# Altium PCB Dashcam.PcbDoc (part 1 of 6) (continued)
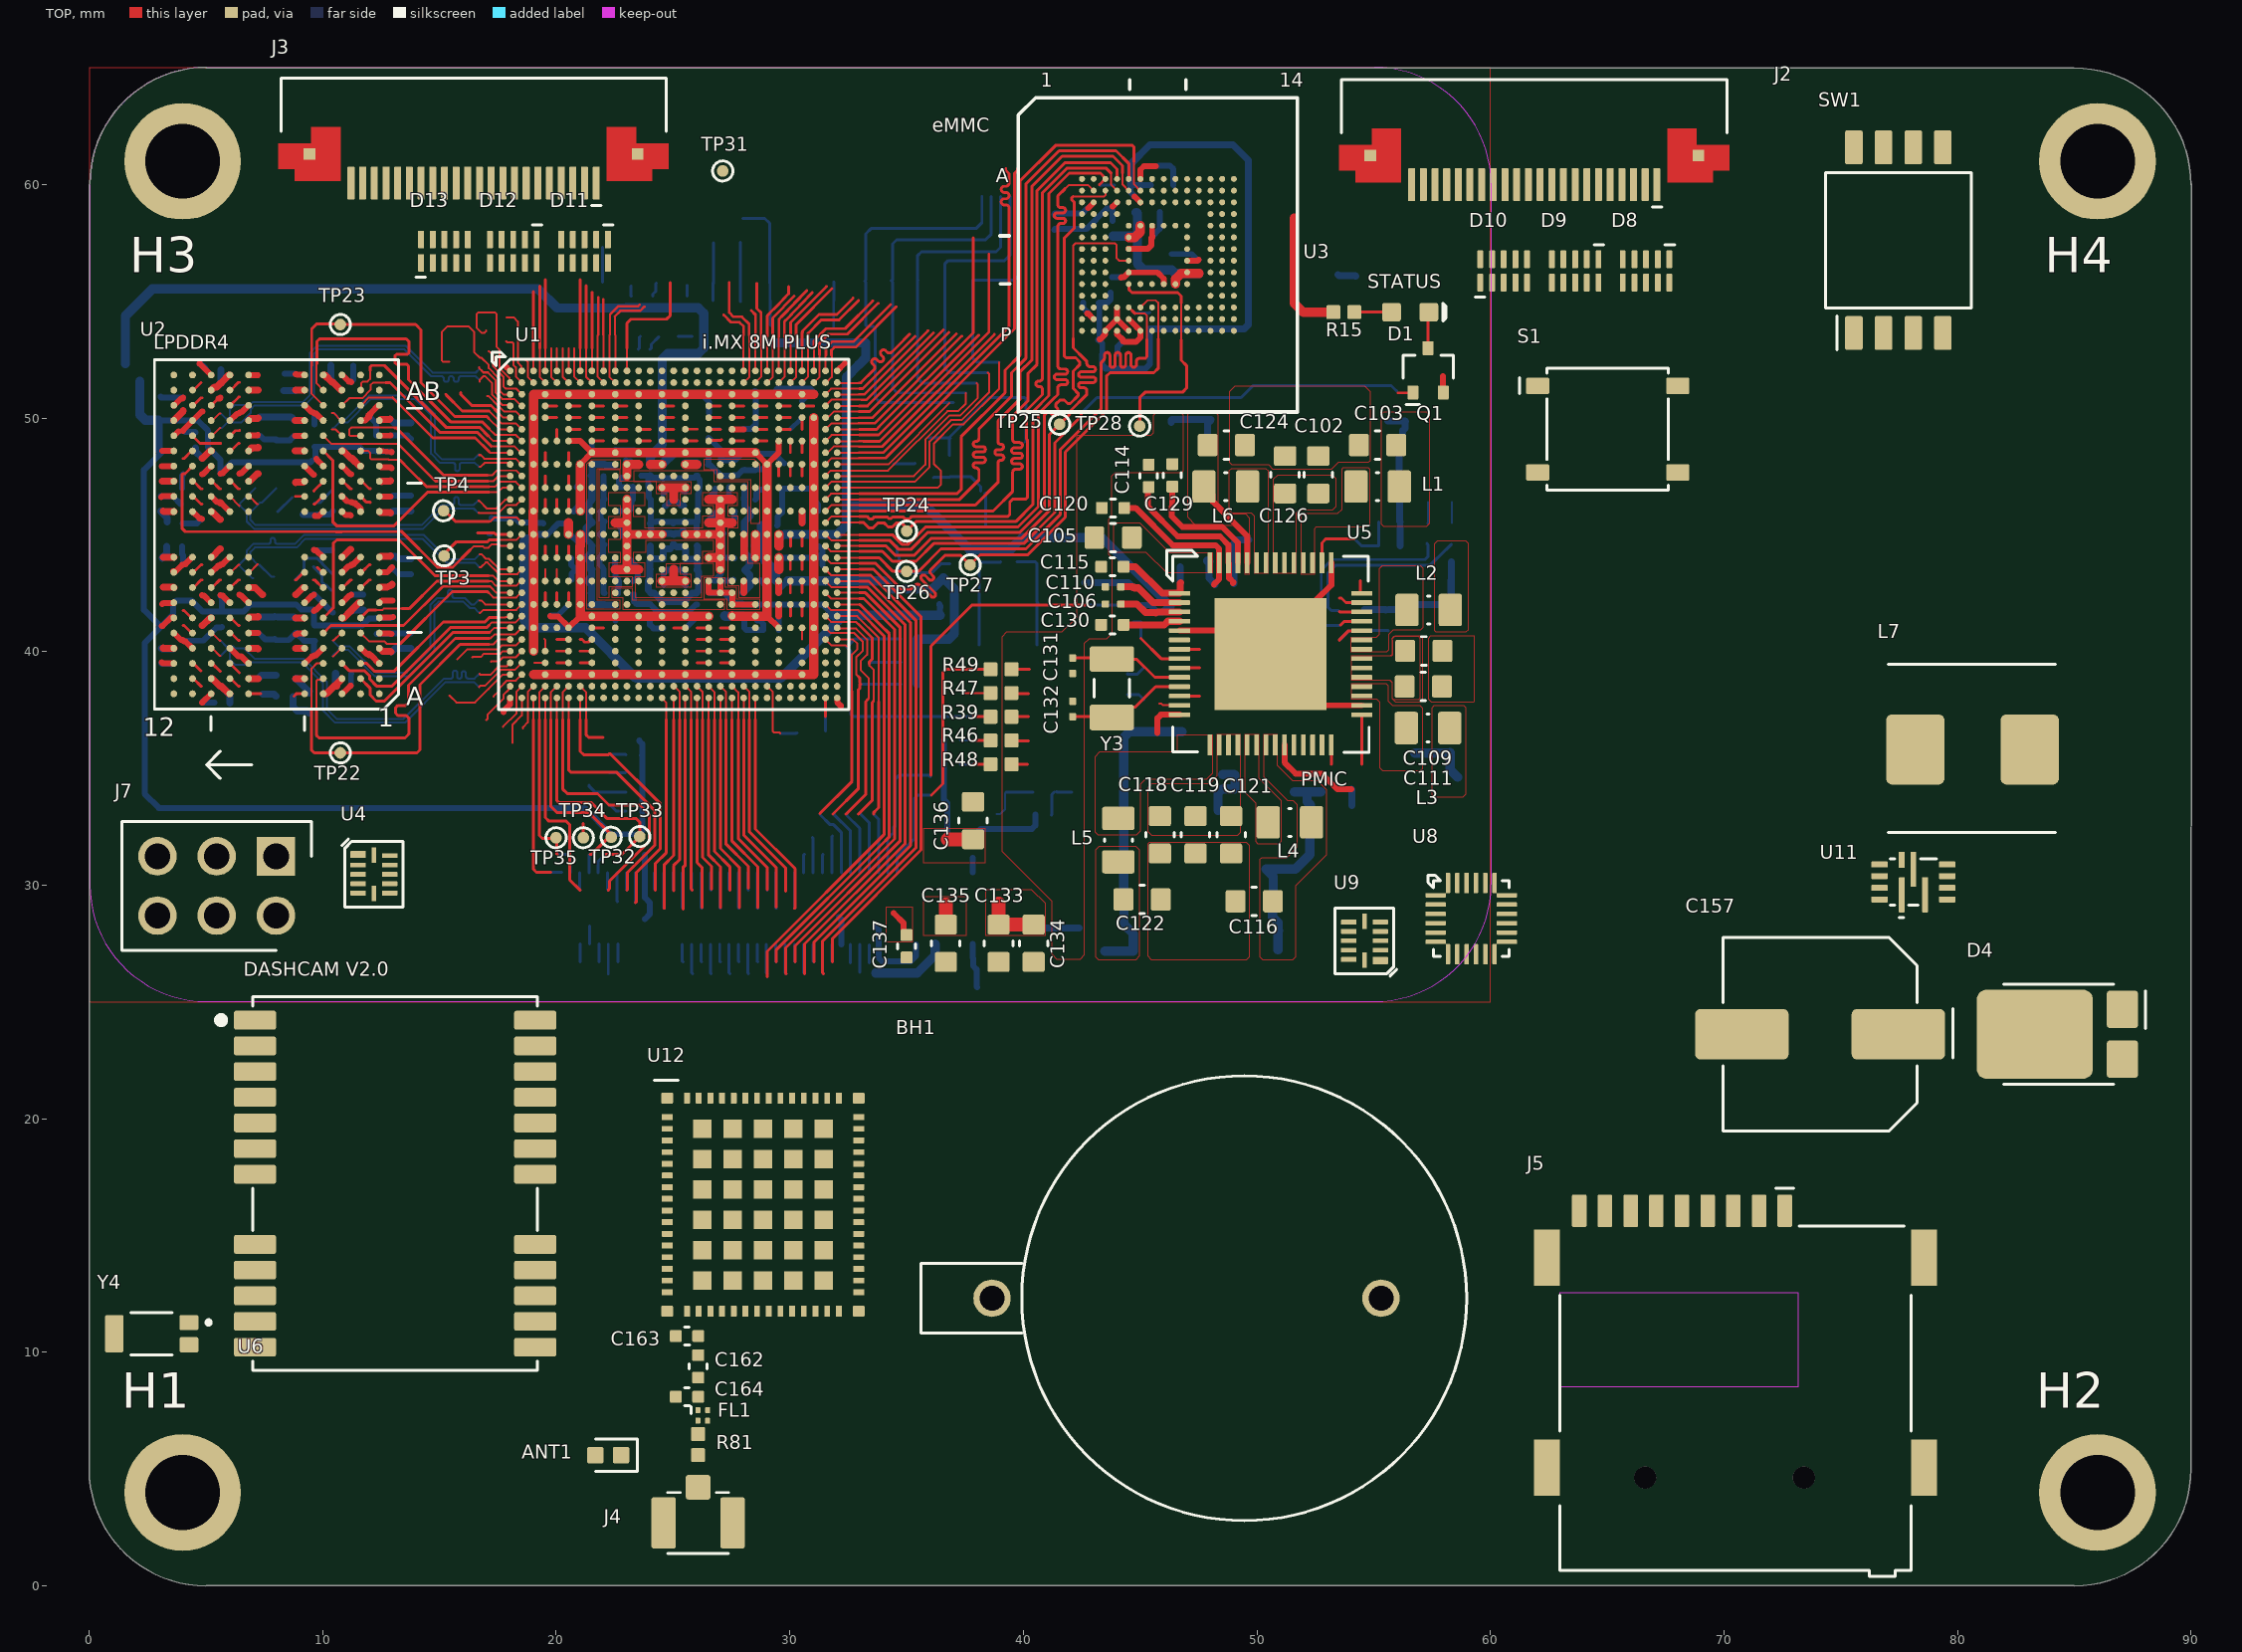
[diagram p0: TOP view]
## Components (designator, comment, footprint, x,y, rotation, side; value= is the part's Value field where it differs from the comment)
ANT1 "A9001978" ANTENNA_CHIP_ANTC1006X50N 22.225,5.6 r180 top
BH1 "BH600" MECH_BATTERY_HOLDER_BH600 46.99,12.319 r270 top
C1 "CL05A106MQ5NUNC" CAP_0402_CAPC1005X05N 25.056,48.041 r0 bottom
C2 "02016D105MAT2A" CAP_0201_CAPC0603X03N 22.973,42.478 r0 bottom
C3 "02016D105MAT2A" CAP_0201_CAPC0603X03N 24.573,41.335 r90 bottom
C4 "02016D105MAT2A" CAP_0201_CAPC0603X03N 25.538,41.335 r90 bottom
C5 "02016D105MAT2A" CAP_0201_CAPC0603X03N 31.406,44.714 r90 bottom
C6 "02016D105MAT2A" CAP_0201_CAPC0603X03N 30.872,45.984 r180 bottom
C7 "02016D105MAT2A" CAP_0201_CAPC0603X03N 29.424,48.066 r180 bottom
C8 "02016D105MAT2A" CAP_0201_CAPC0603X03N 22.987,47.86 r90 bottom
C9 "02016D105MAT2A" CAP_0201_CAPC0603X03N 29.12,45.399 r180 bottom
C10 "02016D105MAT2A" CAP_0201_CAPC0603X03N 29.272,44.028 r180 bottom
C11 "CL05A106MQ5NUNC" CAP_0402_CAPC1005X05N 23.532,44.028 r0 bottom
C12 "02016D105MAT2A" CAP_0201_CAPC0603X03N 24.573,44.739 r270 bottom
C13 "02016D105MAT2A" CAP_0201_CAPC0603X03N 25.451,44.812 r270 bottom
C14 "02016D105MAT2A" CAP_0201_CAPC0603X03N 24.573,43.647 r90 bottom
C15 "02016D105MAT2A" CAP_0201_CAPC0603X03N 25.476,43.618 r90 bottom
C16 "02016D105MAT2A" CAP_0201_CAPC0603X03N 29.069,43.063 r0 bottom
C17 "LMK063BJ224MP-F" CAP_0201_CAPC0603X03N 31.406,43.367 r270 bottom
C18 "LMK063BJ224MP-F" CAP_0201_CAPC0603X03N 23.786,48.498 r0 bottom
C19 "CL05A106MQ5NUNC" CAP_0402_CAPC1005X05N 26.543,44.025 r180 bottom
C20 "02016D105MAT2A" CAP_0201_CAPC0603X03N 23.608,43.012 r0 bottom
C21 "02016D105MAT2A" CAP_0201_CAPC0603X03N 26.427,43.037 r180 bottom
C22 "02016D105MAT2A" CAP_0201_CAPC0603X03N 24.573,42.478 r270 bottom
C23 "02016D105MAT2A" CAP_0201_CAPC0603X03N 25.538,42.478 r270 bottom
C24 "02016D105MAT2A" CAP_0201_CAPC0603X03N 29.196,40.929 r0 bottom
C25 "CL05A106MQ5NUNC" CAP_0402_CAPC1005X05N 23.582,46.034 r0 bottom
C26 "02016D105MAT2A" CAP_0201_CAPC0603X03N 24.573,47.101 r90 bottom
C27 "02016D105MAT2A" CAP_0201_CAPC0603X03N 25.538,47.101 r90 bottom
C28 "02016D105MAT2A" CAP_0201_CAPC0603X03N 23.608,47.05 r0 bottom
C29 "CL05A106MQ5NUNC" CAP_0402_CAPC1005X05N 26.554,46.034 r180 bottom
C30 "02016D105MAT2A" CAP_0201_CAPC0603X03N 26.478,47.05 r180 bottom
C31 "02016D105MAT2A" CAP_0201_CAPC0603X03N 24.613,45.904 r270 bottom
C32 "02016D105MAT2A" CAP_0201_CAPC0603X03N 25.451,45.955 r270 bottom
C33 "CL05A106MQ5NUNC" CAP_0402_CAPC1005X05N 27.215,42.021 r90 bottom
C34 "02016D105MAT2A" CAP_0201_CAPC0603X03N 19.772,45.501 r0 bottom
C35 "02016D105MAT2A" CAP_0201_CAPC0603X03N 28.586,41.691 r90 bottom
C36 "02016D105MAT2A" CAP_0201_CAPC0603X03N 29.348,45.984 r180 bottom
C37 "02016D105MAT2A" CAP_0201_CAPC0603X03N 29.374,46.974 r180 bottom
C38 "CL05A106MQ5NUNC" CAP_0402_CAPC1005X05N 22.338,45.018 r180 bottom
C39 "02016D105MAT2A" CAP_0201_CAPC0603X03N 22.363,47.05 r180 bottom
C40 "02016D105MAT2A" CAP_0201_CAPC0603X03N 22.211,46.009 r180 bottom
C41 "02016D105MAT2A" CAP_0201_CAPC0603X03N 22.16,44.002 r180 bottom
C42 "02016D105MAT2A" CAP_0201_CAPC0603X03N 26.529,48.828 r270 bottom
C43 "02016D105MAT2A" CAP_0201_CAPC0603X03N 27.062,47.863 r270 bottom
C44 "02016D105MAT2A" CAP_0201_CAPC0603X03N 27.545,47.863 r270 bottom
C45 "02016D105MAT2A" CAP_0201_CAPC0603X03N 28.535,48.117 r270 bottom
C46 "CL05A106MQ5NUNC" CAP_0402_CAPC1005X05N 27.737,45.066 r0 bottom
C47 "02016D105MAT2A" CAP_0201_CAPC0603X03N 22.363,43.012 r180 bottom
C48 "02016D105MAT2A" CAP_0201_CAPC0603X03N 27.723,47.101 r0 bottom
C49 "02016D105MAT2A" CAP_0201_CAPC0603X03N 27.977,46.009 r0 bottom
C50 "02016D105MAT2A" CAP_0201_CAPC0603X03N 27.951,44.028 r0 bottom
C51 "02016D105MAT2A" CAP_0201_CAPC0603X03N 27.977,43.063 r0 bottom
C52 "02016D105MAT2A" CAP_0201_CAPC0603X03N 23.76,44.993 r0 bottom
C53 "02016D105MAT2A" CAP_0201_CAPC0603X03N 26.326,45.018 r180 bottom
C54 "CL05A106MQ5NUNC" CAP_0402_CAPC1005X05N 21.525,48.498 r270 bottom
C59 "02016D105MAT2A" CAP_0201_CAPC0603X03N 20.941,45.018 r0 bottom
C60 "02016D105MAT2A" CAP_0201_CAPC0603X03N 20.966,44.002 r0 bottom
C61 "02016D105MAT2A" CAP_0201_CAPC0603X03N 20.992,43.037 r0 bottom
C62 "02016D105MAT2A" CAP_0201_CAPC0603X03N 22.541,41.666 r90 bottom
C63 "C1005X5R0J475M050BC" CAP_0402_CAPC1005X05N 29.018,51.191 r180 bottom
C64 "GRM033R71C222KA88D" CAP_0201_CAPC0603X03N 30.517,50.403 r270 bottom
C65 "GRM033R71C222KA88D" CAP_0201_CAPC0603X03N 26.545,49.891 r270 bottom
C66 "GRM0335C1H180JA01D" CAP_0201_CAPC0603X03N 38.433,40.29 r180 bottom
C67 "GRM0335C1H180JA01D" CAP_0201_CAPC0603X03N 40.261,40.29 r0 bottom
C68 "CGA1A2C0G1E120J030BA" CAP_0201_CAPC0603X03N 39.779,50.399 r0 bottom
C69 "CGA1A2C0G1E120J030BA" CAP_0201_CAPC0603X03N 38.712,45.395 r180 bottom
C70 "GRM0335C1H180JA01D" CAP_0201_CAPC0603X03N 35.004,43.77 r180 bottom
C71 "CL05A106MQ5NUNC" CAP_0402_CAPC1005X05N 2.958,50.403 r270 bottom
C72 "CL05A106MQ5NUNC" CAP_0402_CAPC1005X05N 9.638,49.26 r270 bottom
C73 "02016D105MAT2A" CAP_0201_CAPC0603X03N 12.279,48.93 r270 bottom
C74 "02016D105MAT2A" CAP_0201_CAPC0603X03N 5.675,41.386 r90 bottom
C75 "02016D105MAT2A" CAP_0201_CAPC0603X03N 9.638,40.802 r90 bottom
C76 "02016D105MAT2A" CAP_0201_CAPC0603X03N 12.279,41.107 r90 bottom
C77 "CL05A106MQ5NUNC" CAP_0402_CAPC1005X05N 8.012,49.565 r90 bottom
C78 "CL05A106MQ5NUNC" CAP_0402_CAPC1005X05N 7.987,41.005 r90 bottom
C79 "02016D105MAT2A" CAP_0201_CAPC0603X03N 13.778,40.472 r270 bottom
C80 "02016D105MAT2A" CAP_0201_CAPC0603X03N 10.882,39.075 r180 bottom
C81 "02016D105MAT2A" CAP_0201_CAPC0603X03N 5.701,37.83 r0 bottom
C82 "02016D105MAT2A" CAP_0201_CAPC0603X03N 3.618,39.786 r90 bottom
C83 "02016D105MAT2A" CAP_0201_CAPC0603X03N 3.644,44.51 r180 bottom
C84 "02016D105MAT2A" CAP_0201_CAPC0603X03N 3.669,45.501 r180 bottom
C85 "CL05A106MQ5NUNC" CAP_0402_CAPC1005X05N 10.832,52.257 r180 bottom
C86 "02016D105MAT2A" CAP_0201_CAPC0603X03N 4.558,49.057 r270 bottom
C87 "02016D105MAT2A" CAP_0201_CAPC0603X03N 5.32,52.13 r0 bottom
C88 "02016D105MAT2A" CAP_0201_CAPC0603X03N 8.292,51.546 r270 bottom
C89 "02016D105MAT2A" CAP_0201_CAPC0603X03N 13.778,46.365 r270 bottom
C90 "02016D105MAT2A" CAP_0201_CAPC0603X03N 13.778,43.647 r90 bottom
C91 "02016D105MAT2A" CAP_0201_CAPC0603X03N 11.746,42.123 r270 bottom
C92 "02016D105MAT2A" CAP_0201_CAPC0603X03N 13.778,49.463 r90 bottom
C93 "CL05A475KP5NRNC" CAP_0402_CAPC1005X05N 45.364,58.833 r180 bottom
C94 "LMK063BJ224MP-F" CAP_0201_CAPC0603X03N 43.815,58.122 r270 bottom
C95 "LMK063BJ224MP-F" CAP_0201_CAPC0603X03N 46.33,56.699 r270 bottom
C96 "CL05A106MQ5NUNC" CAP_0402_CAPC1005X05N 45.949,59.976 r180 bottom
C97 "LMK063BJ224MP-F" CAP_0201_CAPC0603X03N 43.739,55.709 r270 bottom
C98 "LMK063BJ224MP-F" CAP_0201_CAPC0603X03N 42.901,54.947 r0 bottom
C99 "LMK063BJ224MP-F" CAP_0201_CAPC0603X03N 43.713,52.762 r180 bottom
C100 "LMK063BJ224MP-F" CAP_0201_CAPC0603X03N 41.935,58.426 r90 bottom
C101 "02016D105MAT2A" CAP_0201_CAPC0603X03N 41.326,58.426 r90 bottom
C102 "GRM188R61C106MAALD" CAP_0603_CAPC1608X08N 52.631,47.58 r270 top
C103 "C1608X5R1A226M080AC" CAP_0603_CAPC1608X08N 55.171,48.85 r0 top
C104 "C1608X5R1A226M080AC" CAP_0603_CAPC1608X08N 55.171,48.799 r0 bottom
C105 "GRM188R61C106MAALD" CAP_0603_CAPC1608X08N 43.843,44.887 r0 top
C106 "02016D105MAT2A" CAP_0201_CAPC0603X03N 43.843,42.043 r180 top
C107 "C1608X5R1A226M080AC" CAP_0603_CAPC1608X08N 58.346,41.204 r90 bottom
C108 "C1608X5R1A226M080AC" CAP_0603_CAPC1608X08N 56.822,41.23 r90 bottom
C109 "GRM188R61C106MAALD" CAP_0603_CAPC1608X08N 57.152,40.036 r180 top
C110 "02016D105MAT2A" CAP_0201_CAPC0603X03N 43.843,42.779 r180 top
C111 "GRM188R61C106MAALD" CAP_0603_CAPC1608X08N 57.127,38.512 r180 top
C112 "C1608X5R1A226M080AC" CAP_0603_CAPC1608X08N 58.27,36.48 r270 bottom
C113 "C1608X5R1A226M080AC" CAP_0603_CAPC1608X08N 56.746,36.455 r270 bottom
C114 "CL05A106MQ5NUNC" CAP_0402_CAPC1005X05N 45.367,47.529 r270 top
C115 "C1005X5R0J475M050BC" CAP_0402_CAPC1005X05N 43.817,43.643 r180 top
C116 "C1608X5R1A226M080AC" CAP_0603_CAPC1608X08N 49.888,29.317 r0 top
C117 "C1608X5R1A226M080AC" CAP_0603_CAPC1608X08N 49.939,29.393 r0 bottom
C118 "GRM188R61C106MAALD" CAP_0603_CAPC1608X08N 45.849,32.162 r90 top
C119 "GRM188R61C106MAALD" CAP_0603_CAPC1608X08N 47.373,32.162 r90 top
C120 "C1005X5R0J475M050BC" CAP_0402_CAPC1005X05N 43.843,46.157 r180 top
C121 "GRM188R61C106MAALD" CAP_0603_CAPC1608X08N 48.897,32.162 r90 top
C122 "C1608X5R1A226M080AC" CAP_0603_CAPC1608X08N 45.087,29.393 r180 top
C123 "C1608X5R1A226M080AC" CAP_0603_CAPC1608X08N 45.113,29.393 r180 bottom
C124 "C1608X5R1A226M080AC" CAP_0603_CAPC1608X08N 48.694,48.85 r180 top
C125 "C1608X5R1A226M080AC" CAP_0603_CAPC1608X08N 48.694,48.875 r180 bottom
C126 "GRM188R61C106MAALD" CAP_0603_CAPC1608X08N 51.209,47.58 r270 top
C127 "GRM155C81A105KA12D" CAP_0402_CAPC1005X05N 49.913,30.689 r0 bottom
C128 "CL05A475KP5NRNC" CAP_0402_CAPC1005X05N 54.562,33.432 r180 bottom
C129 "GRM155C81A105KA12D" CAP_0402_CAPC1005X05N 46.383,47.554 r270 top
C130 "GRM155C81A105KA12D" CAP_0402_CAPC1005X05N 43.817,41.154 r0 top
C131 "GRM0335C1H180JA01D" CAP_0201_CAPC0603X03N 42.116,39.401 r90 top
C132 "GRM0335C1H180JA01D" CAP_0201_CAPC0603X03N 42.116,37.547 r270 top
C133 "GRM188R61C106MAALD" CAP_0603_CAPC1608X08N 38.941,27.514 r90 top
C134 "GRM188R61C106MAALD" CAP_0603_CAPC1608X08N 40.439,27.514 r90 top
C135 "C1608X5R1A226M080AC" CAP_0603_CAPC1608X08N 36.68,27.514 r90 top
C136 "C1608X5R1A226M080AC" CAP_0603_CAPC1608X08N 37.848,32.772 r270 top
C137 "CL05A475KP5NRNC" CAP_0402_CAPC1005X05N 35.004,27.387 r90 top
C157 "UUD1H101MNL1GS" CAP_POLA_UD(8X10) 74.12,23.622 r180 top
C158 "C1608X5R1A226M080AC" CAP_0603_CAPC1608X08N 22.504,48.317 r270 bottom
C159 "CC0402KRX5R8BB104" CAP_0402_CAPC1005X05N 21.195,47.025 r0 bottom
C160 "C1608X5R1A226M080AC" CAP_0603_CAPC1608X08N 21.068,46.009 r0 bottom
C161 "CC0402KRX5R8BB104" CAP_0402_CAPC1005X05N 20.992,41.996 r0 bottom
C162 "GJM1555C1H100FB01D" CAP_0402_CAPC1005X05N 26.075,9.4 r270 top
C163 "GJM1555C1H100FB01D" CAP_0402_CAPC1005X05N 25.6,10.7 r0 top
C164 "GJM1555C1H100FB01D" CAP_0402_CAPC1005X05N 25.6,8.1 r0 top
D1 "LTST-C191KGKT" LED_0603-GREEN 56.568,54.539 r0 top
D4 "PMEG100V060ELPDZ" DIO_SCKTY_PMEG060V100EPDAZ 84.525,23.622 r270 top
D8 "IP4292CZ10-TBR,115" DIO_TVS_SON50P100X250X50-10N 66.667,56.305 r270 top
D9 "IP4292CZ10-TBR,115" DIO_TVS_SON50P100X250X50-10N 63.628,56.305 r270 top
D10 "IP4292CZ10-TBR,115" DIO_TVS_SON50P100X250X50-10N 60.571,56.305 r90 top
D11 "IP4292CZ10-TBR,115" DIO_TVS_SON50P100X250X50-10N 21.212,57.15 r270 top
D12 "IP4292CZ10-TBR,115" DIO_TVS_SON50P100X250X50-10N 18.161,57.15 r270 top
D13 "IP4292CZ10-TBR,115" DIO_TVS_SON50P100X250X50-10N 15.212,57.15 r90 top
FL1 "DEA075150HT-8036A1" RF_FILTER_HP_DEA075150HT8036A1 26.275,7.3 r270 top
H1 "Mounting Hole" PTH_3.2X5 4,4 r0 top
H2 "Mounting Hole" PTH_3.2X5 86,4 r0 top
H3 "Mounting Hole" PTH_3.2X5 4,61 r0 top
H4 "Mounting Hole" PTH_3.2X5 86,61 r0 top
J2 "SFV22R-2STBE1HLF" CONN_FPC_AMPHENOL_SFV22R-2STBE1HLF 61.878,62.4 r180 top
J3 "SFV22R-2STBE1HLF" CONN_FPC_AMPHENOL_SFV22R-2STBE1HLF 16.462,62.467 r180 top
J4 "U.FL-R-SMT-1(10)" CONN_UFL_U.FL-R-SMT-1(10) 26.075,2.7 r0 top
J5 "MEM2075-00-140-01-A" CONN_MICROSD_GCT_MEM2075-00-140-01-A 70.5,10.35 r0 top
J7 "PH2-06-UA" CONN_HDR_HDRV6W64P254_2X3_762X500X901P 5.461,29.972 r180 top
L1 "MCKK2012TR47M" IND_0805_INDC2012X10N 55.171,47.072 r0 top
L2 "MCKK2012TR47M" IND_0805_INDC2012X10N 57.356,41.789 r0 top
L3 "MCKK2012TR47M" IND_0805_INDC2012X10N 57.33,36.734 r0 top
L4 "MCKK2012TR47M" IND_0805_INDC2012X10N 51.412,32.695 r0 top
L5 "MCKK2012TR47M" IND_0805_INDC2012X10N 44.071,31.933 r270 top
L6 "MCKK2012TR47M" IND_0805_INDC2012X10N 48.669,47.072 r180 top
L7 "744311150" IND_WE-HCI_7030/7040/705023 80.645,35.814 r0 top
Q1 "DMN61D9UWQ-13" SOT-323 57.33,52.05 r90 top
R1 "RC0201FR-0710KL" RES_0201_RESC0603X02N 3.974,46.644 r90 bottom
R2 "RC0201FR-07240RL" RES_0201_RESC0603X02N 17.232,45.374 r270 bottom
R3 "RC0201FR-07200RL" RES_0201_RESC0603X02N 23.599,53.854 r90 bottom
R4 "RC0201FR-078K2L" RES_0201_RESC0603X02N 25.225,53.854 r270 bottom
R5 "RC0201FR-07200RL" RES_0201_RESC0603X02N 24.412,53.854 r90 bottom
R6 "RC0201FR-078K2L" RES_0201_RESC0603X02N 31.524,36.251 r90 bottom
R7 "RC0201FR-0710KL" RES_0201_RESC0603X02N 28.247,57.587 r180 bottom
R8 "RC0201FR-0710KL" RES_0201_RESC0603X02N 26.393,57.587 r0 bottom
R9 "RC0201FR-07100KL" RES_0201_RESC0603X02N 31.879,53.574 r270 bottom
R10 "RC0201FR-07100KL" RES_0201_RESC0603X02N 33.251,53.574 r270 bottom
R11 "RC0201FR-07100KL" RES_0201_RESC0603X02N 29.162,53.574 r270 bottom
R12 "RC0201JR-074M7L" RES_0201_RESC0603X02N 39.372,43.846 r0 bottom
R13 "ERJ-2GEJ514X" RES_0402_RESC1005X04N 36.858,47.935 r270 bottom
R14 "ERJ-2GE0R00X" RES_0402_RESC1005X04N 35.029,44.532 r0 bottom
R15 "ERJ-2RKF1001X" RES_0402_RESC1005X04N 53.723,54.539 r180 top
R16 "RK73B1HTTC472J" RES_0201_RESC0603X02N 36.957,36.227 r0 bottom
R17 "RK73B1HTTC472J" RES_0201_RESC0603X02N 36.957,35.185 r0 bottom
R18 "RK73B1HTTC472J" RES_0201_RESC0603X02N 23.328,33.182 r180 bottom
R19 "RK73B1HTTC472J" RES_0201_RESC0603X02N 23.328,33.995 r180 bottom
R20 "RK73B1HTTC472J" RES_0201_RESC0603X02N 23.328,35.595 r180 bottom
R21 "RK73B1HTTC472J" RES_0201_RESC0603X02N 23.328,34.808 r180 bottom
R22 "RC0201FR-0710KL" RES_0201_RESC0603X02N 35.114,38.618 r180 bottom
R23 "RC0201FR-0710KL" RES_0201_RESC0603X02N 35.114,39.557 r180 bottom
R24 "RK73B1HTTC472J" RES_0201_RESC0603X02N 35.105,40.544 r180 bottom
R31 "CR0402-FX-1500GLF" RES_0402_RESC1005X04N 7.53,43.037 r0 bottom
R32 "CR0402-FX-1500GLF" RES_0402_RESC1005X04N 7.555,47 r0 bottom
R33 "RC0201FR-0710KL" RES_0201_RESC0603X02N 44.247,59.976 r0 bottom
R34 "RC0201FR-0710KL" RES_0201_RESC0603X02N 45.415,54.185 r270 bottom
R35 "ERJ-2GE0R00X" RES_0402_RESC1005X04N 55.679,45.548 r0 bottom
R36 "ERJ-2GE0R00X" RES_0402_RESC1005X04N 55.679,44.532 r0 bottom
R37 "ERJ-2GE0R00X" RES_0402_RESC1005X04N 55.654,41.357 r90 bottom
R38 "ERJ-2GE0R00X" RES_0402_RESC1005X04N 54.612,41.357 r90 bottom
R39 "ERJ-2GE0R00X" RES_0402_RESC1005X04N 39.042,37.217 r0 top
R40 "RC0201FR-07100KL" RES_0201_RESC0603X02N 45.037,41.636 r270 bottom
R41 "ERJ-2GE0R00X" RES_0402_RESC1005X04N 44.097,41.56 r270 bottom
R42 "ERJ-2GE0R00X" RES_0402_RESC1005X04N 57.305,45.065 r270 bottom
R43 "ERJ-2GE0R00X" RES_0402_RESC1005X04N 58.346,45.065 r270 bottom
R44 "ERJ-2GE0R00X" RES_0402_RESC1005X04N 40.871,33.991 r0 bottom
R45 "RC0201FR-07100KL" RES_0201_RESC0603X02N 40.871,33.026 r0 bottom
R46 "ERJ-2GE0R00X" RES_0402_RESC1005X04N 39.042,36.201 r0 top
R47 "ERJ-2GE0R00X" RES_0402_RESC1005X04N 39.042,38.233 r180 top
R48 "ERJ-2GE0R00X" RES_0402_RESC1005X04N 39.042,35.185 r0 top
R49 "ERJ-2GE0R00X" RES_0402_RESC1005X04N 39.042,39.249 r180 top
R50 "CR0402-FX-1004GLF" RES_0402_RESC1005X04N 44.452,38.614 r270 bottom
R56 "RC0603JR-0727RL" RES_0603_RESC1608X04N 10.425,42.123 r90 bottom
R57 "RC0402FR-07100KL" RES_0402_RESC1005X04N 10.425,43.774 r270 bottom
R58 "ERJ-2RKF1001X" RES_0402_RESC1005X04N 10.425,46.492 r90 bottom
R59 "AC0603FR-101KL" RES_0603_RESC1608X04N 8.495,45.958 r180 bottom
R60 "AC0603FR-101KL" RES_0603_RESC1608X04N 9.409,37.83 r270 bottom
R61 "RC0201FR-0710KL" RES_0201_RESC0603X02N 8.012,38.541 r270 bottom
R81 "ERJ-2GE0R00X" RES_0402_RESC1005X04N 26.07,6.05 r270 top
S1 "PTS526SK15SMTR2LFS" SWT_NO_PTS526SK15SMTR2LFS 65.024,49.53 r0 top
SW1 "218-4LPSTR" SW_DIP_SOIC127P844X265-8N 77.47,57.62 r90 top
TP1 "NO COMPONENT" TP_PAD_0.8MM_SMD_ROUND 53.478,56.144 r90 bottom
TP2 "NO COMPONENT" TP_PAD_0.8MM_SMD_ROUND 50.76,61.478 r90 bottom
TP3 "NO COMPONENT" TP_PAD_0.5MM_SMD_ROUND 15.2,44.104 r90 top
TP4 "NO COMPONENT" TP_PAD_0.5MM_SMD_ROUND 15.175,46.034 r90 top
TP5 "NO COMPONENT" TP_PAD_0.5MM_SMD_ROUND 25.606,55.759 r90 bottom
TP6 "NO COMPONENT" TP_PAD_0.5MM_SMD_ROUND 23.193,55.784 r90 bottom
TP7 "NO COMPONENT" TP_PAD_0.5MM_SMD_ROUND 26.723,55.759 r90 bottom
TP8 "NO COMPONENT" TP_PAD_0.5MM_SMD_ROUND 24.285,55.784 r90 bottom
TP9 "NO COMPONENT" TP_PAD_0.5MM_SMD_ROUND 27.892,55.784 r90 bottom
TP10 "NO COMPONENT" TP_PAD_0.8MM_SMD_ROUND 29.136,55.784 r90 bottom
TP11 "NO COMPONENT" TP_PAD_0.8MM_SMD_ROUND 33.251,55.911 r90 bottom
TP12 "NO COMPONENT" TP_PAD_0.8MM_SMD_ROUND 31.905,55.886 r90 bottom
TP13 "NO COMPONENT" TP_PAD_0.8MM_SMD_ROUND 34.445,48.037 r90 bottom
TP14 "NO COMPONENT" TP_PAD_0.5MM_SMD_ROUND 38.102,43.795 r90 bottom
TP15 "NO COMPONENT" TP_PAD_0.5MM_SMD_ROUND 34.399,55.911 r90 bottom
TP16 "NO COMPONENT" TP_PAD_0.5MM_SMD_ROUND 36.634,55.911 r90 bottom
TP17 "NO COMPONENT" TP_PAD_0.5MM_SMD_ROUND 35.969,49.155 r90 bottom
TP18 "NO COMPONENT" TP_PAD_0.5MM_SMD_ROUND 37.828,55.911 r90 bottom
TP19 "NO COMPONENT" TP_PAD_0.5MM_SMD_ROUND 35.477,55.911 r90 bottom
TP20 "NO COMPONENT" TP_PAD_0.5MM_SMD_ROUND 21.973,55.759 r90 bottom
TP21 "NO COMPONENT" TP_PAD_0.8MM_SMD_ROUND 56.086,47.097 r90 bottom
TP22 "NO COMPONENT" TP_PAD_0.5MM_SMD_ROUND 10.755,35.671 r90 top
TP23 "NO COMPONENT" TP_PAD_0.5MM_SMD_ROUND 10.755,54.01 r90 top
TP24 "NO COMPONENT" TP_PAD_0.5MM_SMD_ROUND 35.004,45.167 r90 top
TP25 "NO COMPONENT" TP_PAD_0.5MM_SMD_ROUND 41.554,49.74 r90 top
TP26 "NO COMPONENT" TP_PAD_0.5MM_SMD_ROUND 35.004,43.44 r90 top
TP27 "NO COMPONENT" TP_PAD_0.5MM_SMD_ROUND 37.721,43.719 r90 top
TP28 "NO COMPONENT" TP_PAD_0.5MM_SMD_ROUND 44.983,49.663 r90 top
TP31 "NO COMPONENT" TP_PAD_0.5MM_SMD_ROUND 27.13,60.585 r90 top
TP32 "NO COMPONENT" TP_PAD_0.5MM_SMD_ROUND 22.354,32.06 r90 top
TP33 "NO COMPONENT" TP_PAD_0.5MM_SMD_ROUND 23.574,32.086 r90 top
TP34 "NO COMPONENT" TP_PAD_0.5MM_SMD_ROUND 21.161,32.035 r90 top
TP35 "NO COMPONENT" TP_PAD_0.5MM_SMD_ROUND 19.992,32.035 r90 top
TP38 "NO COMPONENT" TP_PAD_0.8MM_SMD_ROUND 46.357,41.966 r90 bottom
TP39 "NO COMPONENT" TP_PAD_0.8MM_SMD_ROUND 58.321,43.059 r90 bottom
TP40 "NO COMPONENT" TP_PAD_0.5MM_SMD_ROUND 42.621,42.958 r90 bottom
TP41 "NO COMPONENT" TP_PAD_0.8MM_SMD_ROUND 49.685,44.786 r90 bottom
TP42 "NO COMPONENT" TP_PAD_0.5MM_SMD_ROUND 46.711,43.644 r90 bottom
TP43 "NO COMPONENT" TP_PAD_0.8MM_SMD_ROUND 52.276,32.645 r90 bottom
TP44 "NO COMPONENT" TP_PAD_0.8MM_SMD_ROUND 47.932,43.744 r90 bottom
TP45 "NO COMPONENT" TP_PAD_0.8MM_SMD_ROUND 46.789,36.582 r90 bottom
TP46 "NO COMPONENT" TP_PAD_0.8MM_SMD_ROUND 46.357,49.942 r90 bottom
TP47 "NO COMPONENT" TP_PAD_0.5MM_SMD_ROUND 48.389,27.006 r90 bottom
TP48 "NO COMPONENT" TP_PAD_0.5MM_SMD_ROUND 48.339,33.203 r90 bottom
TP49 "NO COMPONENT" TP_PAD_0.5MM_SMD_ROUND 10.696,31.248 r90 bottom
TP50 "NO COMPONENT" TP_PAD_0.5MM_SMD_ROUND 12.194,31.248 r90 bottom
TP51 "NO COMPONENT" TP_PAD_0.5MM_SMD_ROUND 13.795,31.248 r90 bottom
TP52 "NO COMPONENT" TP_PAD_0.5MM_SMD_ROUND 9.248,31.248 r90 bottom
TP53 "NO COMPONENT" TP_PAD_0.8MM_SMD_ROUND 34.519,32.518 r90 bottom
TP54 "NO COMPONENT" TP_PAD_0.8MM_SMD_ROUND 39.22,33.94 r90 bottom
TP56 "NO COMPONENT" TP_PAD_0.8MM_SMD_ROUND 42.395,28.174 r90 bottom
U1 "MIMX8ML8DVNLZAB" IC_MPU_BGA548C50P29X29_1500X1500X148 25.028,45.025 r0 top
U2 "MT53E1G32D2FW-046WT:A" IC_DRAM_BGA200_0P65X0P8_10P1X14P6 8.025,45.025 r180 top
U3 "SDINBDG4-32G-I1" IC_MEMORY_eMMC 45.764,56.993 r0 top
U4 "NTS0104GU12,115" IC_LEVEL_TRASLATOR_XQFN12_0P4_1P8X2P1 12.192,30.48 r0 top
U5 "PCA9450CHNY" IC_PMIC_QFN40P800X800X100-57N-D 50.588,39.906 r0 top
U6 "NEO-M9N-00B" IC_MODULE_UBLOX_NEOM9N00B 13.1,17.225 r180 top
U8 "ICM-20948" IC_IMU_TDK_InvenSense_0_IPC_A 59.182,28.575 r0 top
U9 "NTS0104GU12,115" IC_LEVEL_TRASLATOR_XQFN12_0P4_1P8X2P1 54.61,27.613 r180 top
U11 "MP8759GD-Z" IC_REG_MP8759GDZ 78.113,30.141 r90 top
U12 "LBEE5QD1ZM-572" IC_WIFI_BLE_LBEE5QD1ZM572 28.85,16.325 r270 top
Y1 "TSX-3225 24.0000MF15X-AC3" CRYSTAL_24MHz_OSCCC320X250X60 39.22,47.885 r0 bottom
Y2 "ABS07-32.768KHZ-T" CRYSTAL_ABS07-32.768KHZ-T 39.372,42.093 r180 bottom
Y3 "ABS07-32.768KHZ-T" CRYSTAL_ABS07-32.768KHZ-T 43.792,38.436 r270 top
Y4 "W3011" ANTENNA_CHIP_XDCR_W3011 2.675,10.8 r270 top

## Footprints (in the part's own frame and the unit in brackets; to place one, negate y for a bottom-side part, rotate by r counter-clockwise, add the part's x,y. Pads: shape width x height; smd on the part's side, far side on the other; paste and mask are expansions set on the pad)
ANTENNA_CHIP_ANTC1006X50N [mm] "1x0.55 mm"
  rrect20% 0.7x0.7 smd: 1(-0.55,0) 2(0.55,0)
  silkscreen extent -1.25,-0.7 0.55,0.7, body extent -0.5,-0.28 0.5,0.28, height 0.5
ANTENNA_CHIP_XDCR_W3011 [mm]
  rrect20% 0.65x0.8 smd: 1(-0.475,1.6) 2(0.475,1.6)
  rrect20% 1.6x0.8 smd: 3(0,-1.6)
  silkscreen extent -0.9,-0.89 0.9,2.51
CAP_0201_CAPC0603X03N [mm] "Chip Capacitor, 2-Leads, Body 0.60x0.30mm, IPC Medium Density"
  rrect20% 0.305x0.305 smd mask+0.076: 1(-0.33,0) 2(0.33,0)
  body extent -0.3,-0.15 0.3,0.15, height 0.3
CAP_0402_CAPC1005X05N [mil] "Chip Capacitor, 2-Leads, Body 1.00x0.50mm, IPC Medium Density"
  rrect20% 20x20 smd: 1(-18.9,0) 2(18.9,0)
  silkscreen extent -4,-15 4,15, body extent -20,-10 20,10, height 20
CAP_0603_CAPC1608X08N [mm] "Chip Capacitor, 2-Leads, Body 1.60x0.80mm, IPC Medium Density"
  rrect20% 0.85x0.95 smd: 1(-0.8,0) 2(0.8,0)
  silkscreen extent -0.1,-0.61 0.1,0.61, body extent -0.8,-0.4 0.8,0.4, height 0.3
CAP_POLA_UD(8X10) [mm] "UD(8X10)"
  rrect20% 4x2.15 smd: 1(-3.35,0) 2(3.35,0)
  silkscreen extent -5.69,-4.15 4.15,4.15, body extent -4.45,-4.15 4.45,4.15, height 10.06
CONN_FPC_AMPHENOL_SFV22R-2STBE1HLF [mm] "Pitch 0.5mm"
  rrect20% 0.3x1.4 smd mask+0.05: 1(-5.25,2.4) 2(-4.75,2.4) 3(-4.25,2.4) 4(-3.75,2.4) 5(-3.25,2.4) 6(-2.75,2.4) 7(-2.25,2.4) 8(-1.75,2.4) 9(-1.25,2.4) 10(-0.75,2.4) 11(-0.25,2.4) 12(0.25,2.4) 13(0.75,2.4) 14(1.25,2.4) 15(1.75,2.4) 16(2.25,2.4) 17(2.75,2.4) 18(3.25,2.4) 19(3.75,2.4) 20(4.25,2.4) 21(4.75,2.4) 22(5.25,2.4)
  rect 0.5x0.5 smd paste-1 mask+0: SH1(-7.025,1.15) SH2(7.025,1.15)
  TOP region: 7.65,1.8 8.35,1.8 8.35,0.7 6.95,0.7 6.95,0 5.7,0 5.7,2.3 7.65,2.3
  TOP region: -5.7,0 -6.95,0 -6.95,0.7 -8.35,0.7 -8.35,1.8 -7.65,1.8 -7.65,2.3 -5.7,2.3
  silkscreen extent -8.25,-2.1 8.25,3.35, body extent -8.25,-2.1 8.25,2.8, height 1.88
CONN_HDR_HDRV6W64P254_2X3_762X500X901P [mm] "Pitch 2.54mm"
  rect 1.65x1.65 hole 1.1: 1(-2.54,-1.27)
  round 1.65 hole 1.1: 2(-2.54,1.27) 3(0,-1.27) 4(0,1.27) 5(2.54,-1.27) 6(2.54,1.27)
  silkscreen extent -4.06,-2.75 4.06,2.75, body extent -3.81,-2.5 3.81,2.5, height 9.01
CONN_MICROSD_GCT_MEM2075-00-140-01-A [mm] "0.055\" (1.40mm)"
  rrect20% 0.62x1.4 smd: P1(2.105,5.71) P2(1.005,5.71) P3(-0.095,5.71) P4(-1.195,5.71) P5(-2.295,5.71) P6(-3.395,5.71) P7(-4.495,5.71) P8(-5.595,5.71) P9(-6.695,5.71)
  rect 1.1x2.4 smd: SH1(-8.075,-5.29) SH2(-8.075,3.71) SH3(8.075,3.71) SH4(8.075,-5.29)
  round 0.95 hole 0.95 unplated: ""(-3.875,-5.71) ""(2.925,-5.71)
  Keep-Out Layer region: 2.675,-1.84 -7.525,-1.84 -7.525,2.21 2.675,2.21
  silkscreen extent -7.53,-9.94 7.52,6.68, body extent -8.2,-9.94 8.24,5.91, height 1.46
CONN_UFL_U.FL-R-SMT-1(10) [mm]
  rrect20% 1.05x1.05 smd: 1(0,1.525)
  rrect20% 1.05x2.2 smd: 2(1.475,0) 3(-1.475,0)
  silkscreen extent -1.3,-1.3 1.3,1.3, body extent -1.5,-1.5 1.5,1.6, height 1.25
CRYSTAL_24MHz_OSCCC320X250X60 [mm] "0.126\" L x 0.098\" W (3.20mm x 2.50mm)"
  rrect20% 1.09x1.29 smd: 1(-0.84,1.09) 2(-0.84,-1.09) 3(0.84,-1.09) 4(0.84,1.09)
  silkscreen extent -1.4,-0.13 1.33,1.98, body extent -1.25,-1.6 1.25,1.6, height 0.61
CRYSTAL_ABS07-32.768KHZ-T [mm] "0.126\" L x 0.059\" W (3.20mm x 1.50mm)"
  rrect20% 1.1x1.9 smd: 1(-1.25,0) 2(1.25,0)
  silkscreen extent -0.38,-0.75 0.38,0.75, body extent -1.6,-0.75 1.6,0.75, height 0.89
DIO_SCKTY_PMEG060V100EPDAZ [mm] "SOT1289"
  rrect20% 1.6x1.34 smd: A(-1.065,2.537) A(1.065,2.537)
  rrect20% 3.8x4.96 smd: K(0,-1.213)
  silkscreen extent -2.15,-2.54 2.15,3.53, body extent -2.23,-3.49 2.22,3.01, height 0.8
DIO_TVS_SON50P100X250X50-10N [mm] "10-XFDFN"
  rrect20% 0.75x0.25 smd: 1(-0.5,1) 2(-0.5,0.5) 3(-0.5,0) 4(-0.5,-0.5) 5(-0.5,-1) 6(0.5,-1) 7(0.5,-0.5) 8(0.5,0) 9(0.5,0.5) 10(0.5,1)
  silkscreen extent -1.12,0.81 -1.12,1.22, body extent -0.55,-1.25 0.55,1.25, height 0.5
IC_DRAM_BGA200_0P65X0P8_10P1X14P6 [mil] "200-TFBGA (10x14.5)"
  round 11.5 smd: A1(-173.23,268.7) A2(-141.73,268.7) A3(-110.24,268.7) A4(-78.74,268.7) A5(-47.24,268.7) A8(47.24,268.7) A9(78.74,268.7) A10(110.24,268.7) A11(141.73,268.7) A12(173.23,268.7) AA1(-173.23,-243.11) AA2(-141.73,-243.11) AA3(-110.24,-243.11) AA4(-78.74,-243.11) AA5(-47.24,-243.11) AA8(47.24,-243.11) AA9(78.74,-243.11) AA10(110.24,-243.11) AA11(141.73,-243.11) AA12(173.23,-243.11) AB1(-173.23,-268.7) AB2(-141.73,-268.7) AB3(-110.24,-268.7) AB4(-78.74,-268.7) AB5(-47.24,-268.7) AB8(47.24,-268.7) AB9(78.74,-268.7) AB10(110.24,-268.7) AB11(141.73,-268.7) AB12(173.23,-268.7) B1(-173.23,243.11) B2(-141.73,243.11) B3(-110.24,243.11) B4(-78.74,243.11) B5(-47.24,243.11) B8(47.24,243.11) B9(78.74,243.11) B10(110.24,243.11) B11(141.73,243.11) B12(173.23,243.11) C1(-173.23,217.52) C2(-141.73,217.52) C3(-110.24,217.52) C4(-78.74,217.52) C5(-47.24,217.52) C8(47.24,217.52) C9(78.74,217.52) C10(110.24,217.52) C11(141.73,217.52) C12(173.23,217.52) D1(-173.23,191.93) D2(-141.73,191.93) D3(-110.24,191.93) D4(-78.74,191.93) D5(-47.24,191.93) D8(47.24,191.93) D9(78.74,191.93) D10(110.24,191.93) D11(141.73,191.93) D12(173.23,191.93) E1(-173.23,166.34) E2(-141.73,166.34) E3(-110.24,166.34) E4(-78.74,166.34) E5(-47.24,166.34) E8(47.24,166.34) E9(78.74,166.34) E10(110.24,166.34) E11(141.73,166.34) E12(173.23,166.34) F1(-173.23,140.75) F2(-141.73,140.75) F3(-110.24,140.75) F4(-78.74,140.75) F5(-47.24,140.75) F8(47.24,140.75) F9(78.74,140.75) F10(110.24,140.75) F11(141.73,140.75) F12(173.23,140.75) G1(-173.23,115.16) G2(-141.73,115.16) G3(-110.24,115.16) G4(-78.74,115.16) G5(-47.24,115.16) G8(47.24,115.16) G9(78.74,115.16) G10(110.24,115.16) G11(141.73,115.16) G12(173.23,115.16) H1(-173.23,89.57) H2(-141.73,89.57) H3(-110.24,89.57) H4(-78.74,89.57) H5(-47.24,89.57) H8(47.24,89.57) H9(78.74,89.57) H10(110.24,89.57) H11(141.73,89.57) H12(173.23,89.57) J1(-173.23,63.98) J2(-141.73,63.98) J3(-110.24,63.98) J4(-78.74,63.98) J5(-47.24,63.98) J8(47.24,63.98) J9(78.74,63.98) J10(110.24,63.98) J11(141.73,63.98) J12(173.23,63.98) K1(-173.23,38.39) K2(-141.73,38.39) K3(-110.24,38.39) K4(-78.74,38.39) K5(-47.24,38.39) K8(47.24,38.39) K9(78.74,38.39) K10(110.24,38.39) K11(141.73,38.39) K12(173.23,38.39) N1(-173.23,-38.39) N2(-141.73,-38.39) N3(-110.24,-38.39) N4(-78.74,-38.39) N5(-47.24,-38.39) N8(47.24,-38.39) N9(78.74,-38.39) N10(110.24,-38.39) N11(141.73,-38.39) N12(173.23,-38.39) P1(-173.23,-63.98) P2(-141.73,-63.98) P3(-110.24,-63.98) P4(-78.74,-63.98) P5(-47.24,-63.98) P8(47.24,-63.98) P9(78.74,-63.98) P10(110.24,-63.98) P11(141.73,-63.98) P12(173.23,-63.98) R1(-173.23,-89.57) R2(-141.73,-89.57) R3(-110.24,-89.57) R4(-78.74,-89.57) R5(-47.24,-89.57) R8(47.24,-89.57) R9(78.74,-89.57) R10(110.24,-89.57) R11(141.73,-89.57) R12(173.23,-89.57) T1(-173.23,-115.16) T2(-141.73,-115.16) T3(-110.24,-115.16) T4(-78.74,-115.16) T5(-47.24,-115.16) T8(47.24,-115.16) T9(78.74,-115.16) T10(110.24,-115.16) T11(141.73,-115.16) T12(173.23,-115.16) U1(-173.23,-140.75) U2(-141.73,-140.75) U3(-110.24,-140.75) U4(-78.74,-140.75) U5(-47.24,-140.75) U8(47.24,-140.75) U9(78.74,-140.75) U10(110.24,-140.75) U11(141.73,-140.75) U12(173.23,-140.75) V1(-173.23,-166.34) V2(-141.73,-166.34) V3(-110.24,-166.34) V4(-78.74,-166.34) V5(-47.24,-166.34) V8(47.24,-166.34) V9(78.74,-166.34) V10(110.24,-166.34) V11(141.73,-166.34) V12(173.23,-166.34) W1(-173.23,-191.93) W2(-141.73,-191.93) W3(-110.24,-191.93) W4(-78.74,-191.93) W5(-47.24,-191.93) W8(47.24,-191.93) W9(78.74,-191.93) W10(110.24,-191.93) W11(141.73,-191.93) W12(173.23,-191.93) Y1(-173.23,-217.52) Y2(-141.73,-217.52) Y3(-110.24,-217.52) Y4(-78.74,-217.52) Y5(-47.24,-217.52) Y8(47.24,-217.52) Y9(78.74,-217.52) Y10(110.24,-217.52) Y11(141.73,-217.52) Y12(173.23,-217.52)
  silkscreen extent -244,-294 206,331, body extent -199,-292 199,282, height 37
IC_IMU_TDK_InvenSense_0_IPC_A [mm] "QFN 3.0x3.0x0.9"
  rrect20% 0.861x0.192 smd: 1(-1.526,1) 2(-1.526,0.6) 3(-1.526,0.2) 4(-1.526,-0.2) 5(-1.526,-0.6) 6(-1.526,-1) 13(1.526,-1) 14(1.526,-0.6) 15(1.526,-0.2) 16(1.526,0.2) 17(1.526,0.6) 18(1.526,1)
  rrect20% 0.192x0.861 smd: 7(-1,-1.526) 8(-0.6,-1.526) 9(-0.2,-1.526) 10(0.2,-1.526) 11(0.6,-1.526) 12(1,-1.526) 19(1,1.526) 20(0.6,1.526) 21(0.2,1.526) 22(-0.2,1.526) 23(-0.6,1.526) 24(-1,1.526)
  silkscreen extent -1.85,-1.63 1.63,1.85, body extent -2.46,-2.46 2.46,2.46, height 0.25
IC_LEVEL_TRASLATOR_XQFN12_0P4_1P8X2P1 [mil] "XQFN12_0P4_1P8X2P1"
  rrect20% 26x12 smd: 1(-26.57,32.97)
  rrect20% 26x8 smd: 2(-26.57,15.26) 3(-26.57,-0.49) 4(-26.57,-16.24) 5(-26.57,-31.99) 7(26.57,-31.99) 8(26.57,-16.24) 9(26.57,-0.49) 10(26.57,15.26) 11(26.57,31.01)
  rrect20% 8x26 smd: 6(0,-32.97) 12(0,31.99)
  silkscreen extent -54,-56 49,59, body extent -36,-41 36,41, height 20
IC_MEMORY_eMMC [mil] "FBGA153_0P5_11P5X13"
  round 10 smd: A1(-127.95,127.95) A2(-108.27,127.95) A3(-88.58,127.95) A4(-68.9,127.95) A5(-49.21,127.95) A6(-29.53,127.95) A7(-9.84,127.95) A8(9.84,127.95) A9(29.53,127.95) A10(49.21,127.95) A11(68.9,127.95) A12(88.58,127.95) A13(108.27,127.95) A14(127.95,127.95) B1(-127.95,108.27) B2(-108.27,108.27) B3(-88.58,108.27) B4(-68.9,108.27) B5(-49.21,108.27) B6(-29.53,108.27) B7(-9.84,108.27) B8(9.84,108.27) B9(29.53,108.27) B10(49.21,108.27) B11(68.9,108.27) B12(88.58,108.27) B13(108.27,108.27) B14(127.95,108.27) C1(-127.95,88.58) C2(-108.27,88.58) C3(-88.58,88.58) C4(-68.9,88.58) C5(-49.21,88.58) C6(-29.53,88.58) C7(-9.84,88.58) C8(9.84,88.58) C9(29.53,88.58) C10(49.21,88.58) C11(68.9,88.58) C12(88.58,88.58) C13(108.27,88.58) C14(127.95,88.58) D1(-127.95,68.9) D2(-108.27,68.9) D3(-88.58,68.9) D4(-68.9,68.9) D12(88.58,68.9) D13(108.27,68.9) D14(127.95,68.9) E1(-127.95,49.21) E2(-108.27,49.21) E3(-88.58,49.21) E5(-49.21,49.21) E6(-29.53,49.21) E7(-9.84,49.21) E8(9.84,49.21) E9(29.53,49.21) E10(49.21,49.21) E12(88.58,49.21) E13(108.27,49.21) E14(127.95,49.21) F1(-127.95,29.53) F2(-108.27,29.53) F3(-88.58,29.53) F5(-49.21,29.53) F10(49.21,29.53) F12(88.58,29.53) F13(108.27,29.53) F14(127.95,29.53) G1(-127.95,9.84) G2(-108.27,9.84) G3(-88.58,9.84) G5(-49.21,9.84) G10(49.21,9.84) G12(88.58,9.84) G13(108.27,9.84) G14(127.95,9.84) H1(-127.95,-9.84) H2(-108.27,-9.84) H3(-88.58,-9.84) H5(-49.21,-9.84) H10(49.21,-9.84) H12(88.58,-9.84) H13(108.27,-9.84) H14(127.95,-9.84) J1(-127.95,-29.53) J2(-108.27,-29.53) J3(-88.58,-29.53) J5(-49.21,-29.53) J10(49.21,-29.53) J12(88.58,-29.53) J13(108.27,-29.53) J14(127.95,-29.53) K1(-127.95,-49.21) K2(-108.27,-49.21) K3(-88.58,-49.21) K5(-49.21,-49.21) K6(-29.53,-49.21) K7(-9.84,-49.21) K8(9.84,-49.21) K9(29.53,-49.21) K10(49.21,-49.21) K12(88.58,-49.21) K13(108.27,-49.21) K14(127.95,-49.21) L1(-127.95,-68.9) L2(-108.27,-68.9) L3(-88.58,-68.9) L12(88.58,-68.9) L13(108.27,-68.9) L14(127.95,-68.9) M1(-127.95,-88.58) M2(-108.27,-88.58) M3(-88.58,-88.58) M4(-68.9,-88.58) M5(-49.21,-88.58) M6(-29.53,-88.58) M7(-9.84,-88.58) M8(9.84,-88.58) M9(29.53,-88.58) M10(49.21,-88.58) M11(68.9,-88.58) M12(88.58,-88.58) M13(108.27,-88.58) M14(127.95,-88.58) N1(-127.95,-108.27) N2(-108.27,-108.27) N3(-88.58,-108.27) N4(-68.9,-108.27) N5(-49.21,-108.27) N6(-29.53,-108.27) N7(-9.84,-108.27) N8(9.84,-108.27) N9(29.53,-108.27) N10(49.21,-108.27) N11(68.9,-108.27) N12(88.58,-108.27) N13(108.27,-108.27) N14(127.95,-108.27) P1(-127.95,-127.95) P2(-108.27,-127.95) P3(-88.58,-127.95) P4(-68.9,-127.95) P5(-49.21,-127.95) P6(-29.53,-127.95) P7(-9.84,-127.95) P8(9.84,-127.95) P9(29.53,-127.95) P10(49.21,-127.95) P11(68.9,-127.95) P12(88.58,-127.95) P13(108.27,-127.95) P14(127.95,-127.95)
  silkscreen extent -267,-265 235,295, body extent -226,-256 226,256, height 29
IC_MODULE_UBLOX_NEOM9N00B [mm]
  rrect20% 1.8x0.8 smd: 1(6,-7) 2(6,-5.9) 3(6,-4.8) 4(6,-3.7) 5(6,-2.6) 6(6,-1.5) 7(6,-0.4) 8(6,2.6) 9(6,3.7) 10(6,4.8) 11(6,5.9) 12(6,7) 13(-6,7) 14(-6,5.9) 15(-6,4.8) 16(-6,3.7) 17(-6,2.6) 18(-6,-0.4) 19(-6,-1.5) 20(-6,-2.6) 21(-6,-3.7) 22(-6,-4.8) 23(-6,-5.9) 24(-6,-7)
  silkscreen extent -6.1,-8 7.5,8, body extent -6.1,-8 6.1,8, height 2.6